# KiCad board amix 68k(r1).kicad_pcb (continued)
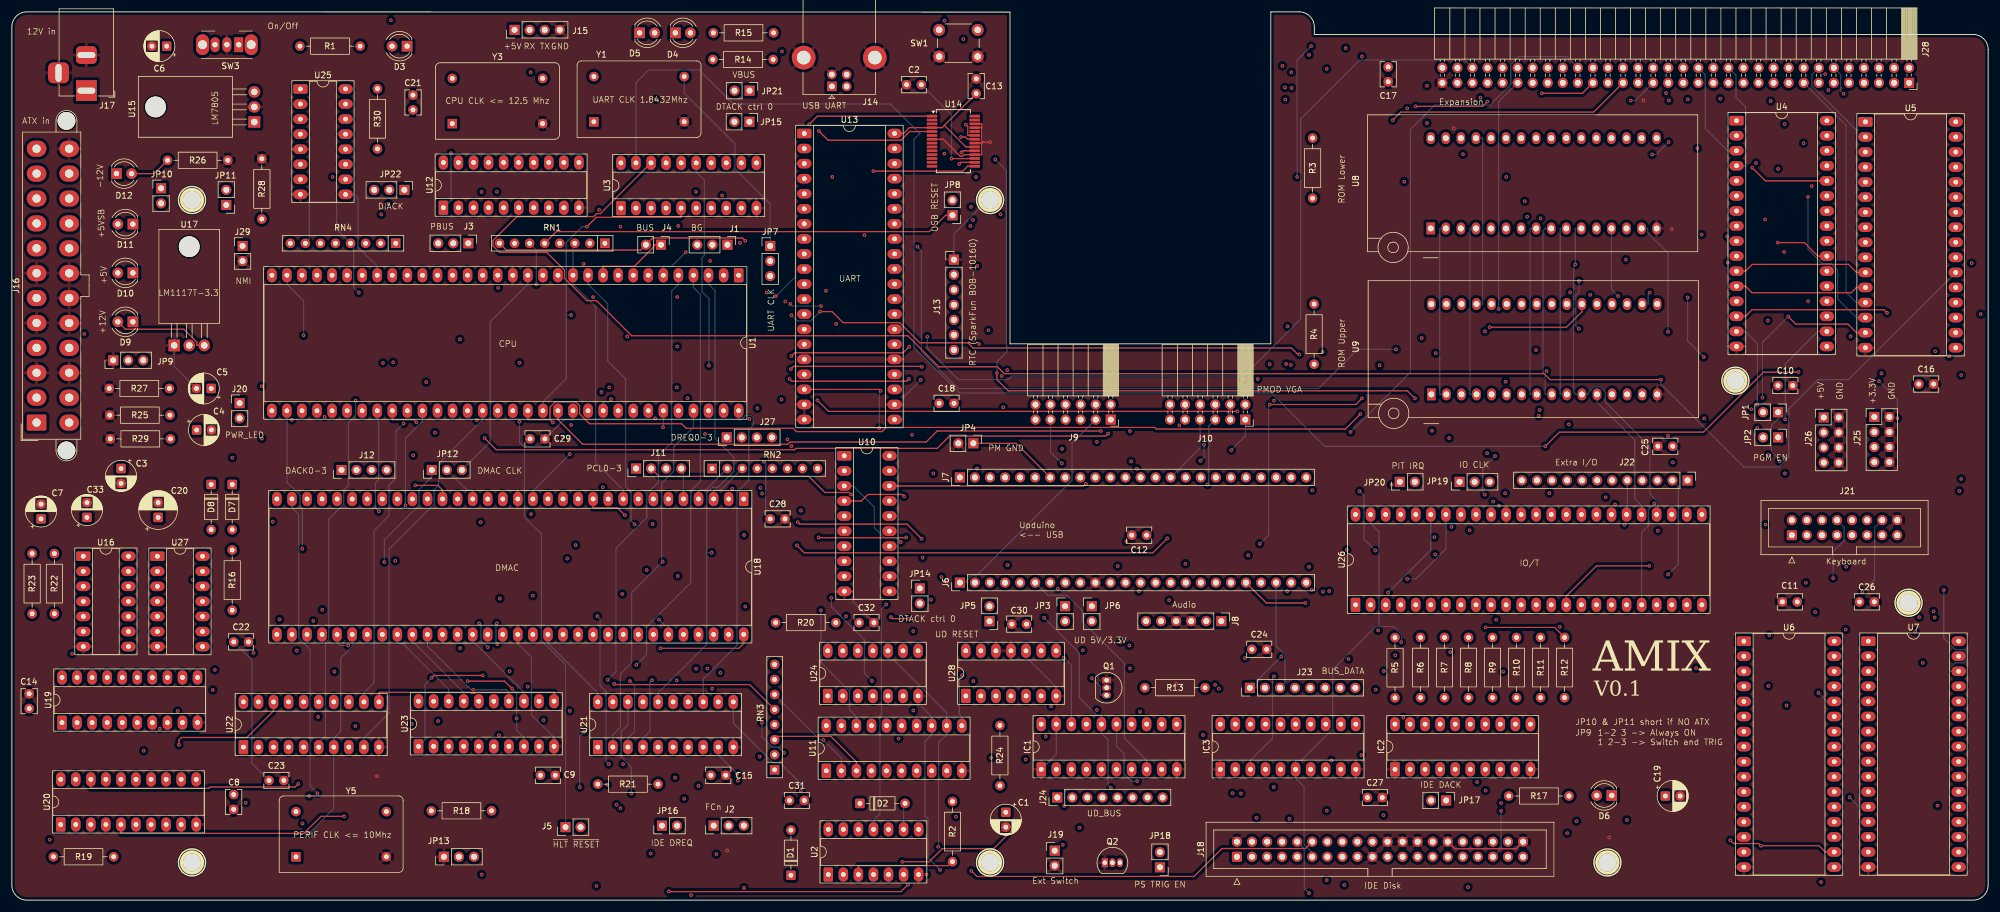
[diagram p0: board, top side]
## Routing (per net, layer and track width the routed paths; a pad name or vN(x,y) marks a point on that pad's centre or on a via; arc(x,y) is an arc through that point) (continued)
  In2.Cu w0.2: 119.96,30.96 119.96,30.97 ; 119.96,30.96 119.96,30.97 ; 119.96,30.96 119.72,30.72 100.17,30.72 99.92,30.97 89.52,30.97 87.59,32.89 87.59,34.34 86.87,35.06 78.76,35.06 U23.16 ; 119.96,30.97 132.79,30.97 136.13,27.62 149.36,27.62 149.58,27.4 ; 149.58,27.4 v1(149.58,27.27) ; 149.58,27.4 149.8,27.62 v1(174.4,27.62) ; U6.28 308.91,33.52 309.37,33.06 311.56,33.06 312.2,32.42 325.79,32.42 326.9,33.53 U7.28 ; U5.28 326.41,121.14 325.27,122.28 308.6,122.28 307.67,121.35 U4.28 ; v1(288.2,135.22) 287.8,134.82 283.86,134.82 283.12,134.08 281.36,134.08 281.18,134.26 276,134.26 275.64,133.9 275.31,133.9 274.83,133.41 273.9,133.41 273.6,133.11 266.82,133.11 266.47,132.75 254.46,132.75 250.53,128.82 250.53,128.56 U8.28 ; v1(175.31,32.7) 175.49,32.52 176.3,32.52 176.89,33.11 230.21,33.11 232.41,35.31 262.67,35.31 263.05,34.93 304.71,34.93 v1(304.75,34.97)
  Bottom w0.2: v1(304.75,34.97) 305.91,33.81 305.91,33.52 U6.28
A15: length 494.1
  In1.Cu w0.2: U9.29 247.07,87.63 248.13,86.56 248.13,68.93 247.87,68.67 247.87,68.17 248.13,67.9 248.13,55.34 250.79,52.69 250.79,47.76 251.57,46.98 v1(251.57,38.53) ; v1(66.39,66.62) 66.39,55.75 71.45,50.69 71.45,35.37 71.14,35.06 U23.19 71.14,30.98 v1(71.92,30.21) ; v1(203.6,35.68) 200.94,33.02 v1(200.94,27.85)
  In2.Cu w0.2: U8.29 247.99,128.56 247.99,128.3 249.86,126.43 283.89,126.43 284.09,126.23 289.23,126.23 289.43,126.43 U4.3 292.49,126.43 293.63,125.29 310.24,125.29 311.17,126.22 U5.3 ; U11.8 155.17,23.32 152.9,25.59 ; 152.9,25.59 152.27,26.22 136.47,26.22 134.35,28.34 122.27,28.34 121.2,29.41 79.89,29.41 79.1,30.21 v1(71.92,30.21) ; 152.9,25.59 198.68,25.59 v1(200.94,27.85) ; v1(203.6,35.68) 204.62,34.67 228.33,34.67 232.19,38.53 v1(251.57,38.53) 290.6,38.53 290.67,38.6 U6.3 293.67,38.6 294.78,39.71 310.52,39.71 311.63,38.61 U7.3
  Bottom w0.2: 247.58,100.57 U9.29 247.58,100.57 ; 247.58,100.57 248.09,100.57 248.09,128.46 247.99,128.56 U8.29 ; U4.3 289.43,126.43 285.65,130.21 285.65,139.26 J28.30 ; v1(66.39,66.62) 66.39,77.9 69.26,80.77 U1.43
A16: length 590.8
  In1.Cu w0.2: U5.31 326.41,128.76 325.12,127.47 325.12,88.7 325.68,88.14 325.68,85.83 323.16,83.31 323.16,40.86 v1(322.34,40.04) ; U11.9 157.71,23.32 156.3,24.73 156.3,54.18 156.21,54.27 156.21,74.18 v1(151.87,78.52) ; 244.02,85.33 U9.3 244.02,85.33 ; 244.02,85.33 243.51,85.33 243.41,85.43 243.41,113.32 U8.3 244.43,114.62 244.79,114.98 v1(244.79,125.84) ; U22.2 41.6,27.32 42.71,28.43 42.71,40.7 42.17,41.23 v1(42.17,77.87) ; U1.44 71.8,81.07 71.38,80.64 v1(71.38,78.88) ; J28.32 280.79,141.58 278.86,141.58 278.22,140.94 278.22,129.52 278.47,129.26 278.47,127.86 277.87,127.26 277.87,126.96 v1(276.71,125.79)
  In2.Cu w0.2: U6.31 309.69,41.14 310.8,40.04 v1(322.34,40.04) 325.79,40.04 326.9,41.15 U7.31 ; 176.46,85.78 176.69,86.01 212.59,86.01 214.62,83.99 242.39,83.99 243.51,85.11 243.51,85.33 244.02,85.33 ; 176.46,85.78 176.3,85.62 ; 176.46,85.78 176.3,85.62 ; 244.02,85.33 U9.3 244.02,85.33 ; v1(279.47,127.9) 286.41,127.9 288.6,130.09 292.31,130.09 292.98,129.43 304.21,129.43 304.67,128.97 U4.31 307.67,128.97 308.62,129.92 325.25,129.92 326.41,128.76 U5.31 ; 176.3,85.62 171.22,85.62 165.09,79.5 152.84,79.5 v1(151.87,78.52) 146.05,78.52 145.86,78.72 129.99,78.72 129.09,79.62 119.5,79.62 117.32,77.44 92.72,77.44 90.39,79.77 86.41,79.77 85.52,78.88 v1(71.38,78.88) 43.18,78.88 v1(42.17,77.87) ; v1(276.71,125.79) 244.84,125.79 v1(244.79,125.84)
  Bottom w0.2: v1(276.71,125.79) 277.37,125.79 v1(279.47,127.9)
A17: length 595.3
  In1.Cu w0.2: v1(52.75,81.56) 51.23,80.03 51.23,50.13 v1(52.37,48.99) 52.37,46.95 51.23,45.81 51.23,43.62 55.43,39.41 55.43,32.56 50.2,27.32 49.22,27.32 U22.5 ; v1(156.81,54.52) 156.81,41.45 v1(160.31,37.96) ; J28.34 280.67,139.15 282.36,139.15 283.33,138.19 283.33,135.06 289.43,128.97 U4.2 292.69,127.21 292.69,122.44 294.32,120.82 294.32,119.32 294.7,118.94 294.7,116.27 294.7,116.27 294.7,114.62 294.75,114.57 294.75,114.43 295.11,114.07 295.11,85.41 294.3,84.61 294.3,84.3 293.44,83.44 v1(293.44,82.82) 293.44,79.22 293.84,78.82 293.84,41.31 293.67,41.14 U6.2
  In2.Cu w0.2: 183.25,38.16 162.86,38.16 162.82,38.12 ; 183.25,38.16 183.42,38.32 ; 183.25,38.16 183.42,38.32 ; v1(293.44,82.82) 260.48,82.82 258.58,84.72 258.58,85.76 257.68,86.66 244.09,86.66 243.01,85.58 243.01,85.33 U9.2 ; 183.42,38.32 183.65,38.56 187.16,38.56 188.29,39.7 205.25,39.7 205.51,39.44 208.59,39.44 208.85,39.7 212.85,39.7 213.25,39.3 216.09,39.3 216.67,39.88 289.41,39.88 290.67,41.14 292.44,41.14 ; U4.2 303.84,128.97 304.99,127.82 310.23,127.82 311.17,128.76 U5.2 ; U6.2 292.44,41.14 ; 292.44,41.14 293.67,41.14 294.78,42.25 309.77,42.25 310.88,41.15 U7.2 ; 162.82,38.12 162.66,37.96 ; 162.82,38.12 162.66,37.96 ; 162.66,37.96 v1(160.31,37.96) ; v1(52.37,48.99) 56.83,53.44 150.32,53.44 151.39,54.52 v1(156.81,54.52) ; U1.45 74.34,84.07 58.63,84.07 58.23,83.67 57.73,83.67 57.33,84.07 53.52,84.07 52.75,83.3 v1(52.75,81.56)
  Bottom w0.2: v1(160.31,37.96) 159.81,37.46 159.81,31.38 160.25,30.94 U11.11 ; U8.2 240.87,113.32 240.87,85.43 240.97,85.33 241.48,85.33 ; 241.48,85.33 U9.2 241.48,85.33
A18: length 571.6
  In1.Cu w0.2: U5.30 326.41,126.22 325.56,125.38 325.56,89.23 326.11,88.68 326.11,52.54 v1(325.89,52.32) ; v1(164.74,96.14) 164.74,112.99 161.8,115.93 v1(161.8,116.96) ; 245.04,100.57 U9.30 245.04,100.57 ; 245.04,100.57 245.55,100.57 245.55,128.46 245.45,128.56 U8.30 ; U1.46 76.88,99.45 75.75,100.58 75.75,111.73 79.23,115.21 v1(79.23,119.48) ; U4.30 307.67,126.43 307.67,132.21 306.19,133.69 306.19,136.04 305.82,136.41 305.82,136.91 306.17,137.26 306.17,139.06 v1(305.89,139.34)
  In2.Cu w0.2: v1(164.74,96.14) 164.74,96.07 168.56,92.25 202.97,92.25 202.98,92.25 203.25,92.52 210.84,92.52 210.99,92.67 214.02,92.67 219.37,98.02 241.21,98.02 243.51,100.31 243.51,100.57 244.02,100.57 ; 278.04,139.25 J28.36 ; 278.04,139.25 305.79,139.25 v1(305.89,139.34) ; 278.04,139.25 278.04,137.32 275.83,135.11 275.83,134.65 275.47,134.3 274.22,134.3 273.43,133.51 266.66,133.51 266.43,133.28 249.92,133.28 245.45,128.81 245.45,128.56 U8.30 ; 244.02,100.57 U9.30 244.02,100.57 ; U4.30 307.67,126.43 308.6,127.36 325.27,127.36 326.41,126.22 U5.30 ; U1.46 76.88,84.07 76.48,84.47 58.18,84.47 v1(57.98,84.27) ; v1(79.23,119.48) 80.85,119.48 81.61,118.72 82.07,118.72 82.07,118.73 100.77,118.73 U3.1 104.26,115.24 108.26,115.24 109.23,116.21 109.23,117.64 110.4,118.8 118.8,118.8 119.51,119.51 129.79,119.51 131.39,117.91 151.27,117.91 152.29,116.89 161.73,116.89 v1(161.8,116.96) ; U6.30 309.69,38.6 310.8,37.5 325.79,37.5 326.9,38.61 U7.30
  Bottom w0.2: v1(57.98,84.27) 57.98,81.79 56.76,80.57 56.76,69.97 55.97,69.18 55.97,66.82 53.43,64.28 53.43,43.96 52.89,43.42 52.89,27.7 51.76,26.57 U22.6 ; v1(325.89,52.32) 325.89,44.22 327.86,42.25 329.26,42.25 329.9,41.61 329.9,40.69 329.26,40.05 327.84,40.05 326.9,39.11 326.9,38.61 U7.30
A19: length 564.8
  Top w0.2: v1(184.94,78.72) 184.51,78.29 158.17,78.29 156.09,76.21 132.25,76.21 132.03,75.99 81.7,75.99 v1(79.75,77.94)
  In1.Cu w0.2: v1(79.75,77.94) 79.75,80.74 79.42,81.07 U1.47 79.42,84.07 78.25,85.24 78.25,111.74 81.81,115.3 v1(81.81,119.51) ; 239.49,85.94 239.53,85.89 ; 239.49,85.94 239.45,85.98 ; 239.49,85.94 239.49,94.31 239.45,94.36 ; 239.53,85.89 239.53,85.41 U9.1 239.45,94.36 ; 239.53,85.89 239.53,82.29 239.7,82.12 239.7,79.33 v1(239.55,79.18) ; 239.45,94.36 239.45,94.64 238.43,95.66 238.43,111.1 239.35,112.02 U8.1 ; v1(296.46,44.7) 296.46,70.88 299.54,73.96 299.54,80.5 299.75,80.71 299.75,82.68 296.41,86.01 296.41,88.2 298.96,90.75 v1(298.96,109.37) 298.96,130.84 v1(299.04,130.92) ; J28.38 276.29,142.39 289.3,142.39 290.93,140.75 U4.1
  In2.Cu w0.2: U5.1 311.75,130.38 299.57,130.38 v1(299.04,130.92) 291.52,130.92 U4.1 ; v1(298.96,109.37) 292.28,109.37 291.87,109.78 243.66,109.78 240.37,113.06 240.37,113.32 U8.1 ; U6.1 295.44,43.68 v1(296.46,44.7) 296.57,44.81 308.77,44.81 309.89,43.69 U7.1 ; U3.2 105.28,118.26 104.03,119.51 v1(81.81,119.51) ; v1(184.94,78.72) 185.64,78.02 238.39,78.02 v1(239.55,79.18)
  Bottom w0.2: U22.9 59.38,27.32 63.64,31.58 63.64,59.25 71.21,66.82 71.21,69.18 71.99,69.96 71.99,73.64 79.42,81.07 U1.47
A20: length 347.3
  In1.Cu w0.2: v1(258.88,89.25) 260.99,91.36 260.99,112.25 260.79,112.45 260.79,132.82 265.32,137.35 265.32,138.16 266.43,139.27 267.19,139.27 267.86,139.93 267.86,140.74 268.7,141.59 270.62,141.59 J28.40 ; v1(99.45,85.71) 99.45,99.27 103.55,103.37 103.55,110.99 107.82,115.26 U3.3
  In2.Cu w0.2: 81.96,81.07 85.12,81.07 85.38,81.33 85.88,81.33 86.15,81.07 90.9,81.07 91.02,81.18 91.52,81.18 91.64,81.07 92.62,81.07 93.39,81.84 93.39,83.26 95.84,85.71 v1(99.45,85.71) 129.47,85.71 132.92,82.26 161.72,82.26 163.43,83.96 168.11,83.96 171.51,87.36 205.96,87.36 206.08,87.23 224.23,87.23 226.25,89.25 v1(258.88,89.25) ; 81.96,81.07 U1.48 ; 81.96,81.07 80.25,81.07 79.16,79.98 66.53,79.98 v1(66.08,80.42)
  Bottom w0.2: v1(66.08,80.42) 64.83,79.16 64.83,71.21 63.62,70 63.62,64.87 61.08,62.33 61.08,36.64 59.38,34.94 U22.12
A21: length 376
  Top w0.2: v1(227.49,82.01) 224.95,79.47 193.04,79.47 192.76,79.75 147.51,79.75 146.81,79.05 132.34,79.05 131.78,79.61 113.74,79.61 112.98,80.37 97.44,80.37 95.76,82.05 95.76,83.43 95.12,84.07 91.66,84.07 90.78,83.19 90.78,81.07 ; 90.78,81.07 v1(91.27,80.58) ; 90.78,81.07 87.04,81.07 U1.50
  In1.Cu w0.2: U22.15 51.76,35.89 v1(54.42,38.55) ; v1(99.06,116.47) 99,116.47 93.77,111.24 93.77,109.52 91.01,106.76 91.01,80.85 91.19,80.66 ; v1(264.35,104.45) 265.82,105.92 265.82,135.11 267.97,137.27 267.97,139.15 J28.42 ; v1(230.73,90.23) 227.12,86.63 227.12,82.37 v1(227.49,82.01) ; 91.19,80.66 v1(91.27,80.58) ; 91.19,80.66 88.67,78.14 88.67,77.23 83.95,72.51 v1(83.95,38.61)
  In2.Cu w0.2: 233.88,90.92 258.86,90.92 v1(264.33,96.39) ; 233.88,90.92 233.71,90.76 ; 233.88,90.92 233.71,90.76 ; 79.58,38.74 79.71,38.86 ; 79.58,38.74 79.35,38.51 73.67,38.51 73.31,38.15 71.59,38.15 71.19,38.55 v1(54.42,38.55) ; 79.58,38.74 79.71,38.86 ; 79.71,38.86 80.06,38.51 83.85,38.51 v1(83.95,38.61) ; U3.4 108.44,114.84 100.69,114.84 v1(99.06,116.47) ; 233.71,90.76 233.48,90.52 231.01,90.52 v1(230.73,90.23)
  Bottom w0.2: v1(264.33,96.39) 263.83,96.89 263.83,102.08 264.35,102.6 v1(264.35,104.45)
A22: length 378.9
  Top w0.2: U3.5 112.9,115.26 112.84,115.2 98.59,115.2 v1(97.01,113.62) ; v1(217.17,92.07) 216.92,92.07 215.84,93.15 162.15,93.15 161.27,94.03 153.16,94.03 149.77,97.42 140.22,97.42 138.35,99.29 v1(136.32,99.29)
  In1.Cu w0.2: v1(216.81,122.01) 217.17,121.65 v1(217.17,92.07) ; U22.16 49.22,42.07 48.39,42.9 48.39,62.56 46.11,64.85 46.11,79.93 v1(47.22,81.04)
  In2.Cu w0.2: U1.51 89.58,84.07 88.78,84.87 49.28,84.87 47.84,83.43 47.84,81.67 v1(47.22,81.04) ; v1(131.51,98.69) 94.36,98.69 v1(94.35,98.7) ; 266.7,140.42 263.06,144.07 262.76,144.07 262.69,144.14 225.45,144.14 225.25,144.34 224.75,144.34 224.48,144.07 v1(219.17,144.07)
  Bottom w0.2: v1(94.35,98.7) 93.52,98.7 ; 93.52,98.7 93.52,110.97 96.17,113.62 v1(97.01,113.62) ; 93.52,98.7 93.52,88.01 89.58,84.07 U1.51 ; v1(216.81,122.01) 216.81,141.71 v1(219.17,144.07) ; v1(136.32,99.29) 134.76,97.73 132.47,97.73 v1(131.51,98.69)
A23: length 384.2
  Top w0.2: U1.52 92.12,81.07 96.28,76.91 130.88,76.91 131.25,77.29 154.22,77.29 156.08,79.15 v1(183.7,79.15)
  In1.Cu w0.2: U3.6 115.44,115.26 114.54,114.35 112.13,114.35 110.49,112.71 110.49,112.63 110.65,112.47 110.65,109.55 110.11,109.01 108.93,109.01 106.22,106.31 106.22,103.7 100.78,98.26 v1(100.78,86.5) ; U22.19 41.6,34.94 41.54,35 41.54,86.11 v1(42.12,86.7)
  In2.Cu w0.2: v1(183.7,79.15) 183.87,79.32 185.19,79.32 186.04,78.47 225.32,78.47 v1(225.81,78.97) ; v1(100.78,86.5) 94.55,86.5 92.12,84.07 ; 92.12,84.07 89.49,86.7 v1(42.12,86.7) ; 92.12,84.07 U1.52
  Bottom w0.2: v1(225.81,78.97) 235.92,89.07 235.92,130.07 239.98,134.13 249.34,134.13 252.85,137.65 252.85,141 254.17,142.32 262.27,142.32 J28.46
AUDIO_L: length 7.2
  In1.Cu w0.2: J8.5 193.86,51.95 J6.15
AUDIO_R: length 7.9
  In1.Cu w0.2: J8.2 201.48,50.11 J6.16
BUS_BYTESEL: length 39.2
  In1.Cu w0.2: J6.7 172.47,50.88 172.47,27.28 176.18,23.57 176.18,22.34 ; IC1.2 176.18,22.34 ; 176.18,22.34 176.34,22.18 J24.1
BUS_CS_N: length 56.8
  In1.Cu w0.2: v1(171.01,23.74) 171.01,28.17 167.27,31.92 167.27,36.66 169.81,39.2 169.81,53.3 J6.5 ; IC1.7 188.88,20.57 189.04,20.41 J24.6
  In2.Cu w0.2: IC1.7 188.88,23.57 188.71,23.74 v1(171.01,23.74)
BUS_DATA0: length 80.6
  In1.Cu w0.2: IC3.11 226.71,35.73 J23.8 ; v1(202.97,36.32) 202.75,36.54 202.75,51.38 J6.17
  In2.Cu w0.2: IC2.9 253.63,23.57 249.01,28.19 226.71,28.19 IC3.11 ; J23.8 225.47,36.97 203.62,36.97 v1(202.97,36.32)
BUS_DATA1: length 76.1
  In1.Cu w0.2: v1(222.23,52.15) 224.08,50.3 J23.7 224.17,35.73 IC3.12
  In2.Cu w0.2: IC2.8 251.09,23.57 247.17,27.49 224.86,27.49 224.17,28.19 IC3.12 ; J6.18 204.66,55.13 219.25,55.13 v1(222.23,52.15)
BUS_DATA2: length 71.7
  In1.Cu w0.2: v1(221.15,52.05) 221.15,36.21 J23.6 221.63,35.73 IC3.13
  In2.Cu w0.2: IC3.13 221.63,28.19 222.73,27.09 245.03,27.09 248.55,23.57 IC2.7 ; J6.19 206.8,54.73 218.86,54.73 221.15,52.43 v1(221.15,52.05)
BUS_DATA3: length 64.1
  Top w0.2: v1(218.21,50.14) 211.61,50.14 J6.20
  In1.Cu w0.2: IC3.14 219.09,35.73 J23.5 219,49.35 v1(218.21,50.14)
  In2.Cu w0.2: IC2.6 246.01,23.57 242.89,26.69 220.59,26.69 219.09,28.19 IC3.14
BUS_DATA4: length 63.5
  In1.Cu w0.2: J6.21 211.87,54.72 216.31,54.72 216.99,54.04 216.99,36.35 J23.4 216.46,31.28 216.55,31.19 IC3.15
  In2.Cu w0.2: IC2.5 243.47,23.57 240.75,26.29 218.45,26.29 216.55,28.19 IC3.15
BUS_DATA5: length 56.7
  In1.Cu w0.2: J23.3 214.01,35.73 IC3.16
  In2.Cu w0.2: IC3.16 214.01,28.19 216.31,25.89 238.61,25.89 240.93,23.57 IC2.4
  Bottom w0.2: J6.22 213.26,42.85 214.76,41.35 214.76,36.66 J23.3
BUS_DATA6: length 57.8
  In1.Cu w0.2: IC3.17 211.47,31.19 211.38,31.28 J23.2 211.82,35.82 215.8,39.8 J6.23
  In2.Cu w0.2: IC3.17 211.47,28.19 214.17,25.48 236.48,25.48 238.39,23.57 IC2.3
BUS_DATA7: length 61.4
  In1.Cu w0.2: v1(215.13,52.11) 215.13,42.09 v1(214.15,41.11) ; IC3.18 208.93,34.58 208.84,34.67 J23.1
  In2.Cu w0.2: IC3.18 208.93,28.19 212.04,25.08 234.34,25.08 235.85,23.57 IC2.2 ; J6.24 216.88,52.11 v1(215.13,52.11)
  Bottom w0.2: J23.1 209.99,35.82 209.99,36.94 v1(214.15,41.11)
BUS_RD_NWR: length 46
  In1.Cu w0.2: IC1.8 191.42,20.57 191.58,20.41 J24.7
  Bottom w0.2: J6.6 174.75,51.44 177.95,51.44 180.56,48.83 180.56,47.04 187.66,39.94 187.66,27.33 191.42,23.57 IC1.8
BUS_REG_NUM0: length 39.4
  In1.Cu w0.2: J6.11 185.73,53.16 185.73,33.76 182.68,30.71 182.68,27.54 178.72,23.57 IC1.3 178.72,20.57 178.88,20.41 J24.2
BUS_REG_NUM1: length 39.6
  In1.Cu w0.2: J6.12 187.62,53.33 187.62,29 182.19,23.57 181.26,23.57 IC1.4 181.26,17.48 J24.3
BUS_REG_NUM2: length 40.1
  In1.Cu w0.2: J6.13 189.46,52.63 189.46,35.08 ; 189.46,35.08 189.52,35.02 ; 189.46,35.08 189.52,35.02 ; 189.52,35.02 189.52,31.71 189.99,31.24 189.99,28.78 184.78,23.57 183.8,23.57 IC1.5 183.8,20.57 183.96,20.41 J24.4
BUS_REG_NUM3: length 39.6
  In1.Cu w0.2: J24.5 186.34,17.48 IC1.6 186.34,23.57 187.29,23.57 192.59,28.88 192.59,53.22 J6.14
BUS_RESET_N: length 4
  In1.Cu w0.2: J6.3 165,49.66 JP5.2
CLK: length 355.4
  In1.Cu w0.2: v1(280.19,73.84) 281.94,75.6 J28.31 ; U1.15 87.04,106.93 86.24,107.73 86.24,112.46 86.76,112.98 86.76,135.85 Y3.8 ; JP19.3 248.86,71 v1(248.86,75.39)
  In2.Cu w0.2: JP12.3 80.59,72.57 86.98,78.96 87.84,78.96 88.75,78.05 88.75,77.42 90.17,76 139.05,76 139.12,76.06 158.92,76.06 159.99,74.99 179.04,74.99 179.41,74.62 200.02,74.62 v1(200.51,74.13) ; v1(201.08,76.83) 247.41,76.83 v1(248.86,75.39) ; JP19.3 252.56,73.84 v1(280.19,73.84)
  Bottom w0.2: U1.15 87.04,103.93 80.69,97.58 80.69,77.34 JP12.3 ; v1(200.51,74.13) 201.08,74.7 v1(201.08,76.83)
D0: length 511.4
  In1.Cu w0.2: v1(272.42,13.52) 273.65,14.75 273.65,67.46 276.2,70.01 276.2,101.16 275.46,101.9 v1(270.96,101.9) ; U21.18 103.92,35.09 101.84,37.17 v1(100.52,37.17)
  In2.Cu w0.2: v1(100.52,37.17) 77.79,37.17 76.86,38.1 73.83,38.1 73.48,37.75 71.42,37.75 71.02,38.15 54.87,38.15 54.67,37.95 33.9,37.95 32.02,36.07 23.22,36.07 22.43,36.86 22.43,38.3 21.66,39.07 18.15,39.07 17.35,38.27 17.35,36.88 16.54,36.07 13.54,36.07 U19.18 ; J18.4 209.2,12.86 ; 209.2,12.86 208.58,13.48 156.83,13.48 155.57,14.75 118.11,14.75 114.87,17.99 v1(104.51,17.99) ; 209.2,12.86 209.46,13.12 223.42,13.12 223.82,13.52 263.29,13.52 263.69,13.92 272.02,13.92 v1(272.42,13.52) 290.35,13.52 290.67,13.2 U6.13 ; v1(270.96,101.9) 271.77,102.7 275.62,102.7 276.02,103.1 276.52,103.1 276.87,102.75 283.54,102.75 285.26,101.03 U4.13
  Bottom w0.2: v1(100.52,37.17) 101.88,38.53 101.88,59.32 107.11,64.55 107.11,68.54 109.08,70.51 109.08,74.94 111.31,77.17 111.31,102.8 112.44,103.93 U1.5 ; U8.13 269.83,103.03 v1(270.96,101.9) ; U21.18 103.92,29.58 102.79,28.45 102.79,24.16 104.51,22.45 v1(104.51,17.99)
D1: length 585.1
  Top w0.2: v1(316.32,99.07) 315.79,99.6 293.55,99.6 292.43,98.49 U4.14 ; v1(150.22,6.47) 154.73,6.47 156.95,8.69 165.62,8.69 169.07,12.15 v1(169.07,12.53)
  In1.Cu w0.2: 289.43,98.49 289.43,107.54 v1(289.44,107.56) ; 289.43,98.49 284.8,93.86 284.8,68.75 283.96,67.91 283.96,63.26 286.34,60.88 286.34,29.61 291.23,24.72 292.8,24.72 293.67,23.84 293.67,10.66 U6.14 ; 289.43,98.49 U4.14 ; v1(272.27,108.06) 272.37,108.16 U8.14 ; v1(107.76,7.87) 107.76,30.64 106.46,31.94 U21.17 106.46,34.94 105.35,36.05 v1(105.35,39.7) ; v1(316.32,99.07) 320.04,102.8 J28.1
  In2.Cu w0.2: v1(169.07,12.53) 169.39,12.84 205.39,12.84 207.89,10.34 207.89,9.48 208.67,8.7 210.58,8.7 J18.6 214.6,12.72 223.59,12.72 223.99,13.12 263.15,13.12 263.55,12.72 270.68,12.72 271.08,12.32 289.01,12.32 290.67,10.66 U6.14 ; v1(289.44,107.56) 288.94,108.06 v1(272.27,108.06) ; 33.26,40.04 33.09,39.87 ; 33.26,40.04 33.49,40.28 53.59,40.28 53.67,40.36 55.17,40.36 55.25,40.28 72.05,40.28 72.22,40.11 78.48,40.11 ; 33.26,40.04 33.09,39.87 ; 33.09,39.87 16.88,39.87 16.08,39.07 U19.17 ; v1(105.35,39.7) 104.63,40.42 83.2,40.42 83.06,40.28 80.67,40.28 80.43,40.51 78.88,40.51 78.65,40.28 ; 78.65,40.28 78.48,40.11 ; 78.65,40.28 78.48,40.11 ; v1(150.22,6.47) 109.16,6.47 v1(107.76,7.87)
  Bottom w0.2: v1(105.35,39.7) 107.08,41.43 107.08,46.12 114.52,53.56 114.52,69.02 116.13,70.63 116.13,102.21 114.98,103.36 U1.4
D2: length 587.2
  In1.Cu w0.2: v1(294.45,83.59) 294.25,83.4 294.25,80.3 293.84,79.89 293.84,79.39 294.19,79.04 294.25,78.98 294.25,8.7 293.67,8.12 U6.15 ; v1(310.18,95.11) 311.17,96.1 311.17,103.85 312.12,104.8 313.71,104.8 317.5,108.6 J28.3 ; J18.8 214.28,18.53 212.84,19.96 212.84,24.04 210.2,26.68 210.2,36.96 210.29,37.05 210.29,48 209.45,48.84 209.45,57.29 v1(208.56,58.18)
  In2.Cu w0.2: J18.8 215.45,11.03 217.29,11.03 218.11,10.21 218.11,9.46 218.88,8.7 290.09,8.7 290.67,8.12 U6.15 ; U19.16 18.62,36.07 19.02,35.66 33.24,35.66 34.28,36.7 76.28,36.7 76.63,36.35 77.13,36.35 77.48,36.7 92.47,36.7 94.23,34.94 109,34.94 U21.16 ; v1(279.37,95.89) 279.43,95.95 U4.15 292.43,95.95 293.54,94.84 309.91,94.84 v1(310.18,95.11) ; v1(118.06,58.63) 118.11,58.59 208.16,58.59 v1(208.56,58.18)
  Bottom w0.2: v1(279.37,95.89) 279.37,109.18 275.93,112.62 275.93,113.32 U8.15 ; v1(118.06,58.63) 117.22,58.63 ; 117.22,58.63 117.22,68.7 118.17,69.65 119.1,69.65 121.78,72.33 121.78,74.72 118.62,77.88 118.62,102.83 117.52,103.93 U1.3 ; 117.22,58.63 117.22,43.17 109,34.94 U21.16 ; U4.15 292.43,95.95 294.45,93.93 v1(294.45,83.59)
D3: length 609.5
  In1.Cu w0.2: U1.2 120.06,88.81 116.37,85.13 116.37,81.72 114.49,79.83 114.49,61.45 112.11,59.07 112.11,54.75 ; 112.11,54.75 112.19,54.68 v1(112.32,54.68) ; 112.11,54.75 112.11,44.13 111.54,43.56 U21.15 111.54,29.3 110.27,28.03 110.27,16.66 108.49,14.88 108.49,6.92 v1(114.57,0.84) ; U4.17 307.67,93.41 ; 307.67,93.41 313.02,88.06 313.02,73.15 314.63,71.54 314.63,66.87 316.66,64.84 316.66,19.77 313.91,17.02 312.39,17.02 311.55,16.18 311.55,8.22 308.91,5.58 U6.17 305.91,5.58 305.91,3.78 v1(305.19,3.06) ; 307.67,93.41 307.67,93.51 310.49,96.33 310.49,105.74 311.92,107.17 313.4,107.17 315.43,109.2 315.43,137.42 J28.5 ; v1(30.5,54.03) 30.5,49.29 25.1,43.88 23.68,43.88 21.16,41.36 U19.15
  In2.Cu w0.2: v1(30.5,54.03) 30.8,54.33 111.98,54.33 v1(112.32,54.68) ; U8.17 285.4,128.56 289.86,133.01 310.09,133.01 J28.5 ; v1(114.57,0.84) 218.47,0.84 v1(218.81,1.18) 303.31,1.18 v1(305.19,3.06)
  Bottom w0.2: J18.10 218.01,8.67 218.01,1.98 v1(218.81,1.18)
D4: length 575.1
  Top w0.2: v1(289.89,10.1) 290.44,9.55 294.66,9.55 v1(295.03,9.18) 304.85,9.18 305.91,8.12 U6.18 ; v1(161.86,4.94) 162.8,3.99 199.42,3.99 204.14,8.71 218.21,8.71 J18.12
  In1.Cu w0.2: U1.1 122.6,88.54 118.93,84.88 118.93,76.62 116.98,74.67 116.98,40.62 v1(115.42,39.06) 114.08,37.72 U21.14 114.08,31.94 115.23,30.79 115.23,11.38 v1(118.85,7.77) ; v1(295.03,9.18) 295.03,71.81 299.14,75.91 299.14,81.1 v1(299.15,81.11) ; U4.18 307.67,95.95 308.9,97.18 308.9,106.63 311.98,109.71 313.52,109.71 314.62,110.82 314.62,132.82 312.42,135.02 J28.7
  In2.Cu w0.2: J18.12 221.52,12.02 223.49,12.02 224.19,12.72 247.13,12.72 247.53,12.32 270.51,12.32 272.73,10.1 v1(289.89,10.1) ; v1(118.85,7.77) 159.03,7.77 v1(161.86,4.94) ; U19.14 23.7,39.07 24.1,39.47 33.26,39.47 33.66,39.87 53.76,39.87 53.84,39.96 55,39.96 55.09,39.87 71.89,39.87 72.05,39.71 78.65,39.71 79.05,40.11 80.26,40.11 80.5,39.87 83.23,39.87 83.37,40.01 103.88,40.01 104.83,39.06 v1(115.42,39.06) ; U8.18 275.93,128.56 275.93,128.82 279.04,131.93 288.21,131.93 289.69,133.42 307.96,133.42 J28.7
  Bottom w0.2: U4.18 304.67,95.95 299.15,90.43 v1(299.15,81.11)
D5: length 549.4
  In1.Cu w0.2: J18.14 221.9,15 v1(221.8,15.1) ; v1(122.45,20.17) 122.96,20.68 122.96,26.53 117.56,31.94 116.62,31.94 U21.13 116.62,34.94 117.31,35.63 v1(117.31,39.07) ; 304.67,98.49 304.67,98.49 304.67,92.92 312.62,84.97 312.62,72.78 314.23,71.17 314.23,59.24 315.31,58.16 315.31,20.94 313.99,19.62 312.5,19.62 311.19,18.3 311.19,16.93 308.91,14.66 308.91,10.66 U6.19 ; 304.67,98.49 304.67,98.49 304.67,101.52 305.45,102.3 306.87,102.3 308.1,103.53 308.1,132.87 307.17,133.79 307.17,135.91 v1(306.42,136.66) ; 304.67,98.49 U4.19
  In2.Cu w0.2: 141.58,18.37 141.42,18.2 ; 141.58,18.37 141.82,18.6 159.94,18.6 161.22,17.32 174.21,17.32 176.23,15.3 221.59,15.3 v1(221.8,15.1) ; 141.58,18.37 141.42,18.2 ; 141.42,18.2 140.85,18.2 139.29,19.76 122.86,19.76 v1(122.45,20.17) ; J18.14 221.9,9.86 224.36,12.32 246.97,12.32 247.37,11.92 269.87,11.92 272.28,9.5 290.14,9.5 290.18,9.55 294.55,9.55 295.66,10.66 U6.19 ; U19.13 26.24,39.07 33.53,39.07 33.93,39.47 53.92,39.47 54.01,39.56 54.84,39.56 54.92,39.47 71.48,39.47 71.65,39.31 78.81,39.31 79.22,39.71 80.1,39.71 80.33,39.47 83.4,39.47 83.54,39.61 103.11,39.61 104.23,38.5 108.59,38.5 108.66,38.42 116.66,38.42 v1(117.31,39.07) ; J28.9 308.66,136.66 v1(306.42,136.66) 303.58,133.82 289.32,133.82 288.38,132.88 280.86,132.88 280.72,133.01 279.67,133.01 279.12,132.47 277.04,132.47 273.39,128.82 273.39,128.56 U8.19
  Bottom w0.2: U21.13 116.62,37.29 122.33,43 122.33,68.84 124.31,70.82 124.31,79.36 125.07,80.11 125.07,81.4 124.68,81.78 123.77,81.78 123.06,81.07 122.6,81.07 U1.64
D6: length 555.3
  In1.Cu w0.2: J18.16 224.44,9.21 225.59,8.05 225.59,3.39 v1(224.77,2.56) ; v1(303,101.03) 303,93.17 309.37,86.8 309.37,73.29 309.09,73.01 309.09,57.17 308.82,56.9 308.82,51.75 305.9,48.83 305.9,25.4 306.85,24.46 308.3,24.46 308.93,23.83 308.93,17.83 307.96,16.86 306.55,16.86 305.91,16.22 305.91,13.2 U6.20 ; v1(262.37,11.3) 262.37,11.76 v1(263.94,13.32) ; U19.12 28.78,39.07 34.03,39.07 v1(34.24,38.85) ; U4.20 307.67,101.03 308.5,101.86 308.5,133.13 307.99,133.64 307.99,137.24 J28.11 ; U1.63 120.06,81.07 119.4,80.41 119.4,68.93 119.51,68.82 v1(119.51,38.37) 119.51,35.29 119.16,34.94 U21.12 119.16,31.94 123.36,27.73 123.36,14.45 122.26,13.34 122.26,3.34 v1(123.5,2.09)
  In2.Cu w0.2: U8.20 270.85,128.56 270.85,128.82 274.59,132.56 275.16,132.56 275.47,132.87 278.96,132.87 279.5,133.42 280.89,133.42 281.03,133.28 288.22,133.28 289.16,134.22 302.85,134.22 306.51,137.88 J28.11 ; v1(262.37,11.3) 262.16,11.51 247.2,11.51 246.8,11.91 226.49,11.91 J18.16 ; v1(34.24,38.85) 34.3,38.91 53.93,38.91 54.17,39.15 54.67,39.15 54.87,38.95 71.35,38.95 71.76,38.55 73.15,38.55 73.5,38.91 79.18,38.91 79.58,39.31 79.93,39.31 80.33,38.91 83.4,38.91 83.7,39.21 102.75,39.21 103.99,37.97 107.47,37.97 107.59,38.1 108.42,38.1 108.55,37.97 119.11,37.97 v1(119.51,38.37) ; v1(303,101.03) 303.01,101.03 U4.20 ; v1(224.77,2.56) 224.75,2.58 156.19,2.58 155.39,1.78 124.41,1.78 124.09,2.09 v1(123.5,2.09) ; v1(263.94,13.32) 270.97,13.32 271.49,12.8 290.26,12.8 290.97,12.09 304.8,12.09 305.91,13.2 U6.20
